# Allegro board LAUNCHXL-CC1312R1.brd (continued)
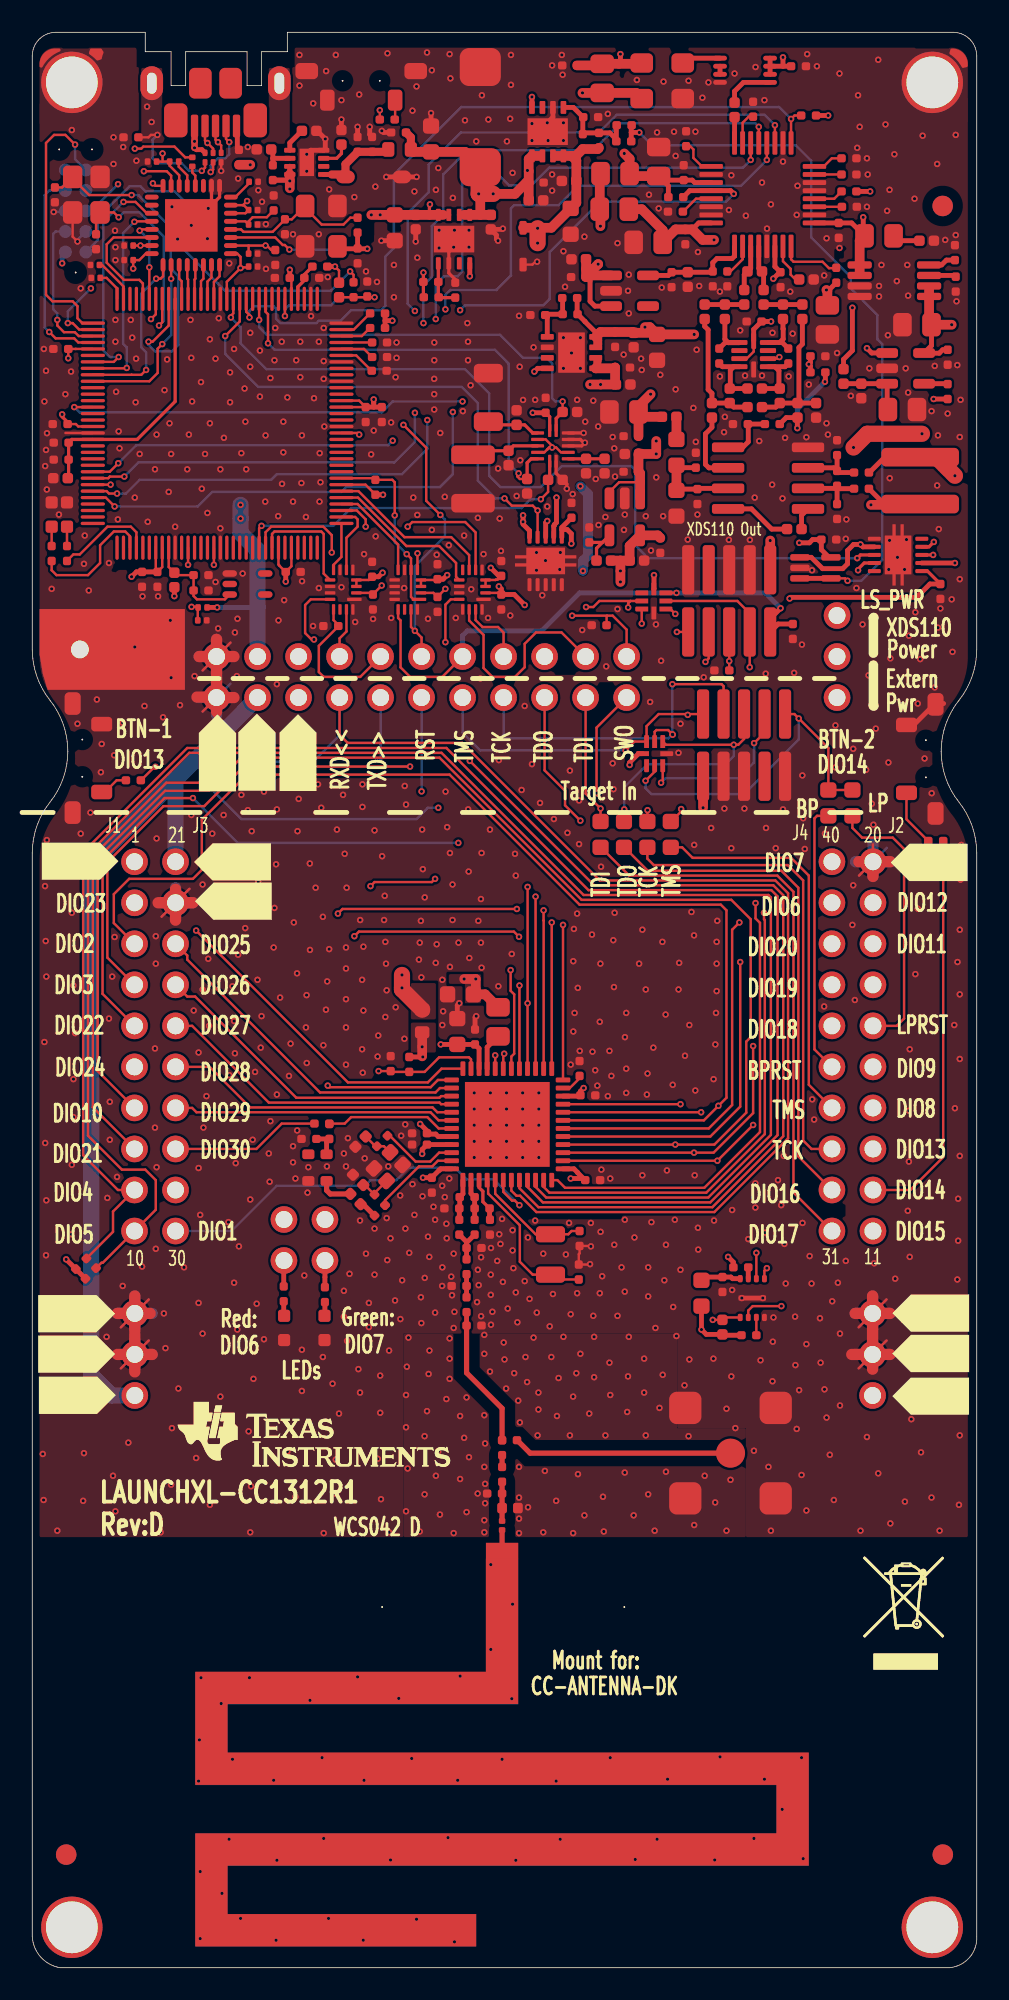
[diagram p0: board, top side]
## Placement (name value [footprint] x y rotation side) (continued)
U39  TS3A4751RUCR  [QFNFC40P200X200X40-14A2N]  31.3 95 270 top
U40  REF6025IDGK  [SOP65P490X110-8A2N]  55.55 103.45 90 top
U41  OPA320AIDBV  [SOT95P280X145-5A2N]  52.95 99.95 270 top
U42  TPS79601DR  [SON65P300X300X100-9AN]  34.9 99 90 top
U43  LP5907MFX-1.8  [SOT95P280X145-5A2N]  35.85 104.75 270 top
U44  TPS73101DBV  [SOT95P280X145-5A2N]  37.65 90.95 180 top
U45  DNM  [SOT65P210X110-5A2N]  47.55 87.3 270 top
U46  TPS79601DR  [SON65P300X300X100-9AN]  30.95 112.15 0 top
U47  TPS259530DSG  [SON50P200X200X80-9A2N]  15.95 112.5 270 top
Y1  32.768kHz  [XTAL_FC135_A2N]  32.1 42.9 90 top
Y2  48MHz  [OSCCC200X160X45-4A2N]  21.95 48.7 45 top
Y3  16MHz  [OSCCC250X320X100-4BN]  2.5 110.85 270 top
Y4  24MHz  [OSCCC250X320X70-4AN]  16.9 109.05 270 top
Y6  16.384MHz  [OSCSC254P320X500X130-4A2N]  37.75 115.7 0 top
Y7  48MHz  [OSC_TG2016SMN_A2N]  17.1 50.35 270 top
Z60  3.3nH  [INDC1005X60B2N]  29.1 31 270 top
Z61  DNM  [CAPC1005X60B2N]  29.1 29.35 180 top
Z62  DNM  [IND_LQW15AN]  29.1 28.45 0 top
Z63  5.6pF  [CAPC0603X35B2N]  29.1 27.65 270 top

## Library data of the parts
A1 = ANTENNA_PCB_0: User Part Number: #PN
C1-C4 C7-C9 C11 C12 C14 C15 C17 C19-C21 C24 C30 C31 C33-C39 C41 C43 C46 C47 C50-C52 C70-C75 C85 C86 C88 C89 C106 C108 C110 C114-C116 C118-C120 C123-C127 C132 C134 C135 C139-C141 C152-C154 C158 C161 C162 C164 C166 C167 C169 C170 C172 C175 Z61 = CAPACITOR: User Part Number: #PN
C6 C78-C80 C83 C84 C87 Z63 = CAPACITOR: User Part Number: #PN; alternate symbols: (CAPC0603X35B2L,CAPC0603X35B2M)
C16 C18 C113 C156 C168 C174 = CAPACITOR: User Part Number: #PN; alternate symbols: (CAPC1608X100A2L,CAPC1608X100A2M)
C22 C23 C25 C40 C42 C44 C45 C48 C49 C53 C107 C109 C128-C131 C133 C136-C138 C143-C145 C149 C151 C155 C157 C159 C160 C163 C171 C173 = CAPACITOR: User Part Number: #PN; alternate symbols: (CAPC1005X60A2L,CAPC1005X60A2M)
C111 = CAPACITOR: User Part Number: #PN; alternate symbols: (CAPC1608X90A2L,CAPC1608X90A2M)
C112 = CAPACITOR_POL_8: User Part Number: #PN; alternate symbols: (CAPMP7343X430A2L,CAPMP7343X430A2M)
C117 C121 C122 C142 C146 C147 C165 = CAPACITOR: User Part Number: #PN; alternate symbols: (CAPC2012X150A2L,CAPC2012X150A2M)
CR1 CR5 = LED_0: alternate symbols: (LEDC1707X65L,LEDC1707X65M)
CR2 CR4 = LED_0: alternate symbols: (LEDC1708X67L,LEDC1708X67M)
CR6 = DIODE_TVS_TPD4E004_SON6: User Part Number: #PN; alternate symbols: (SON50P100X145X65-6L,SON50P100X145X65-6M)
CR7 CR8 = DIODE_TVS_TPD6E004_QFN8_V1: alternate symbols: (QFN50P150X150X60-8L,QFN50P150X150X60-8M)
CR14 = DIODE_ZENER_1: User Part Number: #PN; alternate symbols: (SODFL2512X80A2L,SODFL2512X80A2M)
CR15 = DIODE_SCHOTTKY_2: alternate symbols: (SOD3716X135L,SOD3716X135M,SOD3716X135BN)
FIDU1-FIDU6 = FIDMARK
FL1-FL3 = FILTER_2PIN: alternate symbols: (FIL_BLM18HE152SN1DL,FIL_BLM18HE152SN1DM)
FL4 = INDUCTOR_3: User Part Number: #PN; alternate symbols: (FILC2012X110A2L,FILC2012X110A2M)
FL5 = INDUCTOR_4: User Part Number: #PN; alternate symbols: (FILC2012X110A2L,FILC2012X110A2M)
FL6 = INDUCTOR_5: User Part Number: #PN; alternate symbols: (FILC2012X110A2L,FILC2012X110A2M)
J1 J2 = CONN_HEADER_2X10_J_S_V1: User Part Number: #PN; alternate symbols: (SAMTEC_SSQ11023LD_A2C,SAMTEC_SSQ11023LD_A2A)
J6 = CONN_USB_MICRO_B_2MH: User Part Number: #PN; alternate symbols: (MOLEX_1051640001_B2L,MOLEX_1051640001_B2M)
J7 = CONN_COAX_1_4: alternate symbols: (HUSTSAN_SMA10V21TGGL,HUSTSAN_SMA10V21TGGM)
L10 = INDUCTOR_4: User Part Number: #PN; alternate symbols: (INDC2012X150A2L,INDC2012X150A2M)
L11 L32-L34 = INDUCTOR_HOR_1_1: User Part Number: #PN
L12 = INDUCTOR_HOR_1_0: User Part Number: #PN
LBL1 = CE_LABEL_V1
LBL2 = TI_LOGO_V1
LBL4 = LABEL_FOR_EVALUATOIN_ONLY: User Part Number: #PN
LBL6 = TRASH_V2: User Part Number: #PN
M1-M14 = MECH_SHUNT_JUMPER_V1: User Part Number: #PN
M15-M18 = MECH_SPACERS_SUPPORT_V1: User Part Number: #PN
MH1-MH5 = HOLE_PTH
NOREF#11 = -: User Part Number: #PN
P1 P2 P10 = CONN_HEADER_3_P_S: User Part Number: #PN; alternate symbols: (GRADCONN_BB02HC031KB1603000_A2C,GRADCONN_BB02HC031KB1603000_A2A)
P4 = CONN_HEADER_2X11_P_S: User Part Number: #PN; alternate symbols: (GRADCONN_BB02HJ221KB160300_A2C,GRADCONN_BB02HJ221KB160300_A2A)
P5 P7 = CONN_HEADER_2X5: User Part Number: #PN; alternate symbols: (SAMTEC_FTSH10501FDVK_A2L,SAMTEC_FTSH10501FDVK_A2M)
P6 = CONN_HEADER_2X2_P: User Part Number: #PN; alternate symbols: (GRADCONN_BB02HJ041KB1603000_A2C,GRADCONN_BB02HJ041KB1603000_A2A)
P8 = CONN_IDC_TC2050-IDC-NL: User Part Number: #PN; alternate symbols: (TAGCONNECT_TC2050IDCNL_A2L,TAGCONNECT_TC2050IDCNL_A2M)
PCB1 = PCB_V2: User Part Number: #PN
R1-R3 R5-R9 R14 R15 R20 R21 R23 R25 R27-R34 R39 R55-R63 R65 R87 R96-R100 R105 R106 R108 R111 R114 R117-R119 R131-R133 R135 R136 R138 R151 R152 R154 = RESISTOR: User Part Number: #PN
R11 R17 R18 R94 R95 R101-R104 R109 R110 R112 R113 R115 R116 R120 R121 R126-R130 R134 R137 R153 R155 R156 = RESISTOR: alternate symbols: (RESC1005X40A2L,RESC1005X40A2M)
R12 R46-R49 R51 R52 = RESISTOR: User Part Number: #PN; alternate symbols: (RESC1608X55A2L,RESC1608X55A2M)
R82-R84 R90-R93 = RESISTOR: User Part Number: #PN; alternate symbols: (RESC0603X35B2L,RESC0603X35B2M)
R107 = RESISTOR: User Part Number: #PN; alternate symbols: (RESC3246X70A2L,RESC3246X70A2M)
R122 = RESISTOR: User Part Number: #PN; alternate symbols: (RESC1005X50A2L,RESC1005X50A2M)
R123 = RESISTOR: User Part Number: #PN; alternate symbols: (RESC3216X75A2L,RESC3216X75A2M)
R125 = RESISTOR: User Part Number: #PN; alternate symbols: (RESC3225X75A2L,RESC3225X75A2M)
SW1-SW3 = SWITCH_TACT_V2: alternate symbols: (SW_1188E1K2V_A2L,SW_1188E1K2V_A2M)
U1 = IC_RF_CC1312R1F3_VQFN48: User Part Number: #PN; alternate symbols: (QFNFC50P700X700X100-49A2L,QFNFC50P700X700X100-49A2M)
U4 = IC_FLASH_MX25R8035F_USON8: User Part Number: #PN; alternate symbols: (SON50P300X200X60-9B2L,SON50P300X200X60-9B2M)
U5 = IC_PROC_TM4C1294NCPDT_TQFP128: alternate symbols: (QFP40P1600X1600X120-128L,QFP40P1600X1600X120-128M)
U6 = IC_REF_LM4040_SC70-5: alternate symbols: (SOT65P210X110-5L,SOT65P210X110-5M)
U7 U42 U46 = IC_PM_TPS79601_SON8: alternate symbols: (SON65P300X300X100-9AL,SON65P300X300X100-9AM)
U8-U10 = IC_XCVR_SN74AVC4T245_UQFN16_2: User Part Number: #PN; alternate symbols: (QFNFC40P180X260X55-16A2L,QFNFC40P180X260X55-16A2M)
U15 = IC_PROC_USB3300_QFN32: alternate symbols: (QFNWB50P500X500X100-33L,QFNWB50P500X500X100-33M,QFNWB50P500X500X100-33DL,QFNWB50P500X500X100-33DM)
U33 U38 = IC_SWITCH_TS3A24159_SON10: User Part Number: #PN; alternate symbols: (SON50P300X300X100-11A2L,SON50P300X300X100-11A2M)
U34 = IC_LOGIC_SN74LVC2G74_VSSOP8: alternate symbols: (SOP50P310X90-8L,SOP50P310X90-8M)
U35 = IC_ADC_ADS127L01_QFP32_0: User Part Number: #PN; alternate symbols: (QFP50P700X700X120-32A2L,QFP50P700X700X120-32A2M)
U36 = IC_OPAMP_INA118U_SO8: User Part Number: #PN; alternate symbols: (SOIC127P600X175-8A2L,SOIC127P600X175-8A2M)
U37 = IC_OPAMP_THS4551_QFN10: User Part Number: #PN; alternate symbols: (QFNFCP50P200X200X80-10A2L,QFNFCP50P200X200X80-10A2M)
U39 = IC_SWITCH_TS3A4751_QFN14: User Part Number: #PN; alternate symbols: (QFNFC40P200X200X40-14A2L,QFNFC40P200X200X40-14A2M)
U40 = IC_REF_REF6025_VSSOP8: User Part Number: #PN; alternate symbols: (SOP65P490X110-8A2L,SOP65P490X110-8A2M)
U41 = IC_OPAMP_OPA320_SOT23-5: User Part Number: #PN; alternate symbols: (SOT95P280X145-5A2L,SOT95P280X145-5A2M)
U43 = IC_PM_LP5907-1_8_SOT23-5: User Part Number: #PN; alternate symbols: (SOT95P280X145-5A2L,SOT95P280X145-5A2M)
U44 = IC_PM_TPS73101_SOT23-5: User Part Number: #PN; alternate symbols: (SOT95P280X145-5A2L,SOT95P280X145-5A2M)
U45 = IC_OPAMP_OPA314_SC70-5: User Part Number: #PN; alternate symbols: (SOT65P210X110-5A2L,SOT65P210X110-5A2M)
U47 = IC_PM_TPS259530_WSON8: alternate symbols: (SON50P200X200X80-9A2L,SON50P200X200X80-9A2M)
Y1 = CRYSTAL: User Part Number: #PN; alternate symbols: (XTAL_FC135_A2L,XTAL_FC135_A2M)
Y2 = XTAL_4PINS_1_3: User Part Number: #PN; alternate symbols: (OSCCC200X160X45-4A2L,OSCCC200X160X45-4A2M)
Y3 = XTAL_4: alternate symbols: (OSCCC250X320X100-4BL,OSCCC250X320X100-4BM)
Y4 = XTAL_4: alternate symbols: (OSCCC250X320X70-4AL,OSCCC250X320X70-4AM)
Y6 = XTAL_GEN_EN_V1: User Part Number: #PN; alternate symbols: (OSCSC254P320X500X130-4A2L,OSCSC254P320X500X130-4A2M)
Y7 = XTAL_GEN_V2: User Part Number: #PN; alternate symbols: (OSC_TG2016SMN_A2L,OSC_TG2016SMN_A2M)
Z60 = INDUCTOR_4: User Part Number: #PN
Z62 = INDUCTOR_4: alternate symbols: (IND_LQW15AL,IND_LQW15AM)

## Footprints (pads in the part's own frame, mm; a bottom-side part is the same pattern mirrored in y, then rotated)
ANTENNA_DN024N
  rect 2x1 smd: 1(0,0)
CAPC0603X35B2N
  custom 0.35x0.4 smd: 1(0,0) 2(0.56,0)
CAPC1005X60A2N
  custom 0.65x0.64 smd: 1(0,0) 2(0.9,0)
CAPC1005X60B2N
  custom 0.524x0.5 smd: 1(0,0) 2(0.924,0)
CAPC1608X90A2N
  custom 0.95x1 smd: 1(0,0) 2(1.6,0)
CAPC1608X100A2N
  custom 0.95x1 smd: 1(0,0) 2(1.6,0)
CAPC2012X150A2N
  custom 1.15x1.45 smd: 1(0,0) 2(1.8,0)
CAPMP7343X430A2N
  custom 2.35x2.55 smd: 1(0,0) 2(6.2,0)
FID127X142
  round 1.27 smd: 1(0,0)
FIL_BLM18HE152SN1DN
  custom 0.752x0.9 smd: 1(0,0) 2(1.4,0)
FIL_BLM18HE152SN1DN#2
  custom 0.95x1 smd: 1(0,0) 2(1.6,0)
FILC2012X110A2N
  custom 1.15x1.45 smd: 1(0,0) 2(1.8,0)
GRADCONN_BB02HC031KB1603000_A2B
  round 1.65 hole 1.05: 1(0,0) 2(2.54,0) 3(5.08,0)
GRADCONN_BB02HJ041KB1603000_A2B
  round 1.65 hole 1.05: 1(0,0) 2(0,2.54) 3(2.54,0) 4(2.54,2.54)
GRADCONN_BB02HJ221KB160300_A2B
  round 1.65 hole 1.05: 1(0,0) 2(0,2.54) 3(2.54,0) 4(2.54,2.54) 5(5.08,0) 6(5.08,2.54) 7(7.62,0) 8(7.62,2.54) 9(10.16,0) 10(10.16,2.54) 11(12.7,0) 12(12.7,2.54) 13(15.24,0) 14(15.24,2.54) 15(17.78,0) 16(17.78,2.54) 17(20.32,0) 18(20.32,2.54) 19(22.86,0) 20(22.86,2.54) 21(25.4,0) 22(25.4,2.54)
HUSTSAN_SMA10V21TGGAN
  round 1.8 smd: 1(0,0)
  custom 2x2 smd: 2(-2.8,-2.8) 3(2.8,-2.8) 4(2.8,2.8) 5(-2.8,2.8)
IND_LQW15AN
  custom 0.6x0.65 smd: 1(0,0) 2(0.98,0)
INDC1005X60B2N
  custom 0.524x0.5 smd: 1(0,0) 2(0.924,0)
INDC1005X60D2N
  custom 0.524x0.5 smd: 1(0,0) 2(0.924,0)
INDC2012X150A2N
  custom 1.15x1.45 smd: 1(0,0) 2(1.8,0)
LEDC1707X65N
  custom 0.752x0.752 smd: 1(0,0) 2(1.501,0)
LEDC1708X67N
  custom 0.752x0.752 smd: 1(0,0) 2(1.501,0)
MOLEX_1051640001_B2N
  custom 1.45x2.1 smd: (-1.162,0.35) (3.762,0.35)
  custom 1.4x1.9 smd: (0.362,2.65) (2.238,2.65)
  custom 0.45x1.4 smd: 1(0,0) 2(0.65,0) 3(1.3,0) 4(1.95,0) 5(2.6,0)
  oval 1.4x2.1 hole 0.6x1.3: M1(-2.65,2.65) M2(5.25,2.65)
MTG110_170
  round 1.699 hole 1.1: 1(0,0)
MTG320_380
  round 3.8 hole 3.2: 1(0,0)
OSC_TG2016SMN_A2N
  custom 0.6x0.75 smd: 1(0,0) 2(1.65,0) 3(1.65,1.13) 4(0,1.13)
OSCCC200X160X45-4A2N
  custom 0.9x0.8 smd: 1(0,0) 2(1.4,0) 3(1.4,1.1) 4(0,1.1)
OSCCC250X320X70-4AN
  custom 1.4x1.15 smd: 1(0,0) 2(2.5,0) 3(2.5,2) 4(0,2)
OSCCC250X320X100-4BN
  custom 1.402x1.198 smd: 1(0,0) 2(2.2,0) 3(2.2,1.699) 4(0,1.699)
OSCSC254P320X500X130-4A2N
  custom 1.4x1.2 smd: 1(0,0) 2(2.54,0) 3(2.54,2.2) 4(0,2.2)
QFN50P150X150X60-8N
  custom 0.3x0.8 smd: 1(0,0) 2(0.5,0) 3(1,0) 5(1,1.5) 6(0.5,1.5) 7(0,1.5)
  custom 0.8x0.3 smd: 4(1.25,0.75) 8(-0.25,0.75)
QFNFC40P180X260X55-16A2N
  custom 0.2x0.9 smd: 1(0,0)
  custom 0.2x0.65 smd: 2(0.4,-0.125) 3(0.8,-0.125) 4(1.2,-0.125) 9(1.2,1.505) 10(0.8,1.505) 11(0.4,1.505) 12(0,1.505)
  custom 0.65x0.2 smd: 5(1.825,0.09) 6(1.825,0.49) 7(1.825,0.89) 8(1.825,1.29) 13(-0.625,1.29) 14(-0.625,0.89) 15(-0.625,0.49) 16(-0.625,0.09)
QFNFC40P200X200X40-14A2N
  custom 0.2x0.8 smd: 1(0,0) 2(0.4,0) 3(0.8,0) 4(1.2,0) 5(1.6,0) 8(1.6,1.9) 9(1.2,1.9) 10(0.8,1.9) 11(0.4,1.9) 12(0,1.9)
  custom 0.8x0.2 smd: 6(1.75,0.75) 7(1.75,1.15) 13(-0.15,1.15) 14(-0.15,0.75)
QFNFC50P700X700X100-49A2N
  custom 0.3x0.9 smd: 1(0,0) 2(0.5,0) 3(1,0) 4(1.5,0) 5(2,0) 6(2.5,0) 7(3,0) 8(3.5,0) 9(4,0) 10(4.5,0) 11(5,0) 12(5.5,0) 25(5.5,6.9) 26(5,6.9) 27(4.5,6.9) 28(4,6.9) 29(3.5,6.9) 30(3,6.9) 31(2.5,6.9) 32(2,6.9) 33(1.5,6.9) 34(1,6.9) 35(0.5,6.9) 36(0,6.9)
  custom 0.9x0.3 smd: 13(6.2,0.7) 14(6.2,1.2) 15(6.2,1.7) 16(6.2,2.2) 17(6.2,2.7) 18(6.2,3.2) 19(6.2,3.7) 20(6.2,4.2) 21(6.2,4.7) 22(6.2,5.2) 23(6.2,5.7) 24(6.2,6.2) 37(-0.7,6.2) 38(-0.7,5.7) 39(-0.7,5.2) 40(-0.7,4.7) 41(-0.7,4.2) 42(-0.7,3.7) 43(-0.7,3.2) 44(-0.7,2.7) 45(-0.7,2.2) 46(-0.7,1.7) 47(-0.7,1.2) 48(-0.7,0.7)
  rect 5.25x5.25 smd: 49(2.75,3.45)
QFNFCP50P200X200X80-10A2N
  custom 0.3x1 smd: 1(0,0) 2(0.5,0) 3(1,0) 4(1.5,0) 6(1.5,1.77) 7(1,1.77) 8(0.5,1.77) 9(0,1.77)
  custom 1x0.3 smd: 5(1.67,0.885) 10(-0.1,0.885)
QFNWB50P500X500X100-33N
  oval 0.3x0.851 smd: 1(0,0) 2(0.5,0) 3(1,0) 4(1.5,0) 5(2,0) 6(2.5,0) 7(3,0) 8(3.5,0) 17(3.5,4.9) 18(3,4.9) 19(2.5,4.9) 20(2,4.9) 21(1.5,4.9) 22(1,4.9) 23(0.5,4.9) 24(0,4.9)
  oval 0.851x0.3 smd: 9(4.2,0.7) 10(4.2,1.2) 11(4.2,1.7) 12(4.2,2.2) 13(4.2,2.7) 14(4.2,3.2) 15(4.2,3.7) 16(4.2,4.2) 25(-0.7,4.2) 26(-0.7,3.7) 27(-0.7,3.2) 28(-0.7,2.7) 29(-0.7,2.2) 30(-0.7,1.7) 31(-0.7,1.2) 32(-0.7,0.7)
  rect 3.25x3.25 smd: 33(1.75,2.45)
QFP40P1600X1600X120-128N
  oval 0.201x1.501 smd: 1(0,0) 2(0.399,0) 3(0.8,0) 4(1.199,0) 5(1.6,0) 6(1.999,0) 7(2.4,0) 8(2.799,0) 9(3.2,0) 10(3.599,0) 11(4,0) 12(4.399,0) 13(4.801,0) 14(5.199,0) 15(5.601,0) 16(6,0) 17(6.401,0) 18(6.8,0) 19(7.201,0) 20(7.6,0) 21(8.001,0) 22(8.4,0) 23(8.801,0) 24(9.2,0) 25(9.601,0) 26(10,0) 27(10.399,0) 28(10.8,0) 29(11.199,0) 30(11.6,0) 31(11.999,0) 32(12.4,0) 65(12.4,15.4) 66(11.999,15.4) 67(11.6,15.4) 68(11.199,15.4) 69(10.8,15.4) 70(10.399,15.4) 71(10,15.4) 72(9.601,15.4) 73(9.2,15.4) 74(8.801,15.4) 75(8.4,15.4) 76(8.001,15.4) 77(7.6,15.4) 78(7.201,15.4) 79(6.8,15.4) 80(6.401,15.4) 81(6,15.4) 82(5.601,15.4) 83(5.199,15.4) 84(4.801,15.4) 85(4.399,15.4) 86(4,15.4) 87(3.599,15.4) 88(3.2,15.4) 89(2.799,15.4) 90(2.4,15.4) 91(1.999,15.4) 92(1.6,15.4) 93(1.199,15.4) 94(0.8,15.4) 95(0.399,15.4) 96(0,15.4)
  oval 1.501x0.201 smd: 33(13.899,1.501) 34(13.899,1.9) 35(13.899,2.301) 36(13.899,2.7) 37(13.899,3.099) 38(13.899,3.5) 39(13.899,3.899) 40(13.899,4.3) 41(13.899,4.699) 42(13.899,5.1) 43(13.899,5.499) 44(13.899,5.9) 45(13.899,6.299) 46(13.899,6.7) 47(13.899,7.099) 48(13.899,7.501) 49(13.899,7.899) 50(13.899,8.301) 51(13.899,8.7) 52(13.899,9.101) 53(13.899,9.5) 54(13.899,9.901) 55(13.899,10.3) 56(13.899,10.701) 57(13.899,11.1) 58(13.899,11.501) 59(13.899,11.9) 60(13.899,12.301) 61(13.899,12.7) 62(13.899,13.099) 63(13.899,13.5) 64(13.899,13.899) 97(-1.501,13.899) 98(-1.501,13.5) 99(-1.501,13.099) 100(-1.501,12.7) 101(-1.501,12.301) 102(-1.501,11.9) 103(-1.501,11.501) 104(-1.501,11.1) 105(-1.501,10.701) 106(-1.501,10.3) 107(-1.501,9.901) 108(-1.501,9.5) 109(-1.501,9.101) 110(-1.501,8.7) 111(-1.501,8.301) 112(-1.501,7.899) 113(-1.501,7.501) 114(-1.501,7.099) 115(-1.501,6.7) 116(-1.501,6.299) 117(-1.501,5.9) 118(-1.501,5.499) 119(-1.501,5.1) 120(-1.501,4.699) 121(-1.501,4.3) 122(-1.501,3.899) 123(-1.501,3.5) 124(-1.501,3.099) 125(-1.501,2.7) 126(-1.501,2.301) 127(-1.501,1.9) 128(-1.501,1.501)
QFP50P700X700X120-32A2N
  custom 0.3x1.45 smd: 1(0,0) 2(0.5,0) 3(1,0) 4(1.5,0) 5(2,0) 6(2.5,0) 7(3,0) 8(3.5,0) 17(3.5,6.4) 18(3,6.4) 19(2.5,6.4) 20(2,6.4) 21(1.5,6.4) 22(1,6.4) 23(0.5,6.4) 24(0,6.4)
  custom 1.45x0.3 smd: 9(4.95,1.45) 10(4.95,1.95) 11(4.95,2.45) 12(4.95,2.95) 13(4.95,3.45) 14(4.95,3.95) 15(4.95,4.45) 16(4.95,4.95) 25(-1.45,4.95) 26(-1.45,4.45) 27(-1.45,3.95) 28(-1.45,3.45) 29(-1.45,2.95) 30(-1.45,2.45) 31(-1.45,1.95) 32(-1.45,1.45)
RESC0603X35B2N
  custom 0.35x0.4 smd: 1(0,0) 2(0.56,0)
RESC1005X40A2N
  custom 0.65x0.64 smd: 1(0,0) 2(0.9,0)
RESC1005X40B2N
  custom 0.524x0.5 smd: 1(0,0) 2(0.924,0)
RESC1005X50A2N
  custom 0.65x0.64 smd: 1(0,0) 2(0.9,0)
RESC1608X55A2N
  custom 0.95x1 smd: 1(0,0) 2(1.6,0)
RESC3216X75A2N
  custom 1.15x1.8 smd: 1(0,0) 2(3,0)
RESC3225X75A2N
  custom 1.15x2.7 smd: 1(0,0) 2(3,0)
RESC3246X70A2N
  custom 1.15x4.8 smd: 1(0,0) 2(2.9,0)
SAMTEC_FTSH10501FDVK_A2N
  custom 0.75x3.05 smd: 1(0,0) 2(0,3.85) 3(1.27,0) 4(1.27,3.85) 5(2.54,0) 6(2.54,3.85) 7(3.81,0) 8(3.81,3.85) 9(5.08,0) 10(5.08,3.85)
SAMTEC_SSQ11023LD_A2B
  round 1.65 hole 1.05: 1(0,0) 2(2.54,0) 3(0,2.54) 4(2.54,2.54) 5(0,5.08) 6(2.54,5.08) 7(0,7.62) 8(2.54,7.62) 9(0,10.16) 10(2.54,10.16) 11(0,12.7) 12(2.54,12.7) 13(0,15.24) 14(2.54,15.24) 15(0,17.78) 16(2.54,17.78) 17(0,20.32) 18(2.54,20.32) 19(0,22.86) 20(2.54,22.86)
SOD3716X135N
  oval 1.15x0.8 smd: 1(0,0) 2(3.5,0)
SODFL2512X80A2N
  custom 0.85x0.45 smd: 1(0,0) 2(2.28,0)
SOIC127P600X175-8A2N
  custom 0.6x2 smd: 1(0,0) 2(1.27,0) 3(2.54,0) 4(3.81,0) 5(3.81,4.95) 6(2.54,4.95) 7(1.27,4.95) 8(0,4.95)
SON50P100X145X60-6B2N
  custom 0.3x0.4 smd: 1(0,0) 2(0.5,0) 3(1,0) 4(1,0.59) 5(0.5,0.59) 6(0,0.59)
SON50P200X200X80-9A2N
  custom 0.3x0.7 smd: 1(0,0) 2(0.5,0) 3(1,0) 4(1.5,0) 5(1.5,2.1) 6(1,2.1) 7(0.5,2.1) 8(0,2.1)
  rect 1.7x0.9 smd: 9(0.75,1.05)
SON50P300X200X60-9B2N
  custom 0.3x0.45 smd: 1(0,0) 2(0.5,0) 3(1,0) 4(1.5,0) 5(1.5,2.4) 6(1,2.4) 7(0.5,2.4) 8(0,2.4)
  rect 1.7x0.3 smd: 9(0.75,1.2)
SON50P300X300X100-11A2N
  custom 0.25x0.8 smd: 1(0,0) 2(0.5,0) 3(1,0) 4(1.5,0) 5(2,0) 6(2,2.94) 7(1.5,2.94) 8(1,2.94) 9(0.5,2.94) 10(0,2.94)
  custom 3.8x1.65 smd: 11(1,1.47)
SON65P300X300X100-9AN
  custom 0.35x0.8 smd: 1(0,0) 2(0.65,0) 3(1.3,0) 4(1.95,0) 5(1.95,3) 6(1.3,3) 7(0.65,3) 8(0,3)
  rect 2.5x1.65 smd: 9(0.975,1.5)
SON65P300X300X100-9AN#2
  custom 0.3x0.75 smd: 1(0,0) 2(0.65,0) 3(1.3,0) 4(1.95,0) 5(1.95,3) 6(1.3,3) 7(0.65,3) 8(0,3)
  rect 2.5x1.65 smd: 9(0.975,1.5)
SOP50P310X90-8N
  oval 0.3x0.851 smd: 1(0,0) 2(0.5,0) 3(1,0) 4(1.5,0) 5(1.5,3.1) 6(1,3.1) 7(0.5,3.1) 8(0,3.1)
SOP65P490X110-8A2N
  custom 0.45x1.5 smd: 1(0,0) 2(0.65,0) 3(1.3,0) 4(1.95,0) 5(1.95,4.3) 6(1.3,4.3) 7(0.65,4.3) 8(0,4.3)
SOT65P210X110-5A2N
  custom 0.4x1.2 smd: 1(0,0) 2(0.65,0) 3(1.3,0) 4(1.3,1.92) 5(0,1.92)
SOT65P210X110-5N
  oval 0.399x0.899 smd: 1(0,0) 2(0.65,0) 3(1.3,0) 4(1.3,2.2) 5(0,2.2)
SOT95P280X145-5A2N
  custom 0.6x1.35 smd: 1(0,0) 2(0.95,0) 3(1.9,0) 4(1.9,2.29) 5(0,2.29)
SW_1188E1K2V_A2N
  round 0.099 hole 0.899 unplated: (2.229,0.6) (4.529,0.6)
  custom 1.4x1 smd: 1(0,0) 2(6.75,0)
  custom 0.9x1.3 smd: 3(1.275,1.8) 4(5.475,1.8)
TAGCONNECT_TC2050IDCNL_A2N
  round 0.1 hole 1 unplated: (-1.27,0.635) (6.35,-0.38) (6.35,1.65)
  round 0.8 smd: 1(0,0) 2(1.27,0) 3(2.54,0) 4(3.81,0) 5(5.08,0) 6(5.08,1.27) 7(3.81,1.27) 8(2.54,1.27) 9(1.27,1.27) 10(0,1.27)
unnamed#2
  round 0.099 hole 3.2 unplated: (0,0) (15,0)
XTAL_FC135_A2N
  custom 1x1.8 smd: 1(0,0) 2(2.5,0)

## Nets
5V0: C48.1 C110.1 C111.2 C112.1 C151.1 C152.1 C157.1 C160.1 C161.1 C164.1 C165.1 C166.1 C171.1 C175.1 FL2.1 P4.19 R82.2 R92.2 R153.2 U7.1 U7.2 U7.8 U42.1 U42.2 U42.8 U43.1 U43.3 U44.1 U44.3 U46.1 U46.2 U46.8
5V0_BP: J1.2 P2.1 P4.20
GND: C1.2 C2.2 C3.2 C4.2 C6.2 C7.2 C8.2 C9.2 C11.2 C12.2 C14.2 C15.2 C16.2 C17.2 C18.2 C19.2 C20.2 C22.2 C23.2 C24.2 C30.2 C31.2 C33.2 C34.2 C35.2 C38.2 C39.2 C40.2 C41.2 C42.2 C43.2 C44.2 C45.2 C46.2 C48.2 C49.2 C50.2 C51.2 C52.2 C53.2 C70.2 C71.2 C72.2 C73.2 C74.2 C75.2 C78.2 C79.2 C80.2 C83.2 C84.2 C85.1 C86.1 C87.2 C88.1 C89.1 C106.2 C107.2 C108.2 C109.2 C110.2 C111.1 C112.2 C113.2 C114.2 C115.2 C116.2 C117.2 C118.2 C119.2 C120.2 C121.2 C122.2 C124.1 C125.1 C126.1 C127.2 C128.2 C133.2 C134.2 C136.2 C137.2 C138.2 C139.2 C140.2 C141.2 C142.2 C143.2 C144.2 C145.2 C147.2 C149.2 C151.2 C152.2 C154.2 C155.2 C156.2 C157.2 C158.2 C159.2 C160.2 C161.2 C162.2 C163.2 C164.2 C165.2 C166.2 C167.2 C168.2 C170.1 C171.2 C173.2 C174.2 C175.2 CR1.1(C) CR2.1(C) CR4.1(C) CR5.1(C) CR6.3 CR7.4 CR8.4 CR14.2 CR15.2 J1.4 J2.2 J6.5 J7.2 J7.3 J7.4 J7.5 MH3.1 MH4.1 MH5.1 P1.2 P1.3 P2.2 P2.3 P4.21 P4.22 P5.3 P5.5 P5.9 P7.3 P7.5 P7.9 P8.3 P8.5 P8.9 R21.2 R28.1 R29.2 R30.2 R32.1 R34.1 R61.1 R62.1 R63.1 R65.1 R84.1 R90.1 R91.1 R93.2 R97.2 R105.1 R106.1 R115.2 R116.1 R117.1 R118.1 R122.1 R123.1 R125.1 R126.1 R127.2 R128.2 R129.2 R130.2 R133.1 R135.1 R136.1 R152.1 R155.1 R156.1 SW1.1 SW1.2 SW1.3 SW2.1 SW2.2 SW2.4 SW3.1 SW3.2 SW3.4 U1.49 U4.4 U4.9 U5.10 U5.17 U5.48 U5.55 U5.58 U5.64 U5.66 U5.80 U5.114 U6.1 U7.6 U7.9 U8.1 U8.5 U8.7 U8.10 U8.11 U8.16 U9.1 U9.5 U9.10 U9.11 U9.13 U9.16 U10.7 U10.9 U10.10 U10.11 U10.12 U10.16 U15.1 U15.2 U15.33 U33.6 U33.11 U34.4 U35.5 U35.10 U35.13 U35.14 U35.18 U35.26 U35.30 U35.31 U36.4(V-) U37.5(VS-) U38.6 U38.7 U38.8 U38.9 U38.10 U38.11 U39.7 U39.10 U39.11 U39.12 U40.7 U40.8 U41.2(V-) U42.6 U42.9 U43.2 U44.2 U45.2(V-) U46.6 U46.9 U47.8 U47.9 Y2.2 Y2.4(GND#4) Y3.2 Y3.4 Y4.2 Y4.4 Y6.2 Y7.2 Z61.2 Z62.2
VBUS_DET: R92.1 R93.1 U5.12
VDDC: C43.1 C44.1 C45.1 U5.87(VDDC#87) U5.115
VDDR: C18.1 C19.1 C20.1 L10.2 U1.45 U1.48
VDDS: C12.1 C14.1 C15.1 C16.1 C17.1 FL1.1 R1.2 U1.13 U1.22 U1.34 U1.44
BP_RESET: J2.11 R52.1
DCDC_SW: L10.1 U1.33
DIO1: J1.20 U1.6
DIO4_SCL: J1.17 R2.1 U1.9
DIO5_SDA: J1.19 R3.1 U1.10
DIO6_RLED: J2.3 P6.2 U1.11
DIO7_GLED: J2.1 P6.4 U1.12
DIO8_MISO: J2.14 U1.14 U4.2
DIO9_MOSI: J2.12 U1.15(DIO_9) U4.5
DIO10_SCLK: J1.13 U1.16 U4.6
DIO11_CS: J2.6 U1.17
DIO12: J2.4 U1.18
DIO13_BTN1: J2.16 R56.2 U1.19
DIO14_BTN2: J2.18 R55.2 U1.20
DIO15: J2.20 U1.21
DIO16_TDO: CR8.5 P4.6 P5.6 R48.2 U1.26
DIO17_TDI: CR8.3 P4.4 P5.8 R49.2 U1.27
DIO19_CTS: J2.7 U1.29
DIO20_FLASH_CS: J2.5 R11.2 U1.30 U4.1
DIO21: J1.15 U1.31
DIO22: J1.9 U1.32
DIO23_ANALOG: J1.3 U1.36
DIO24_ANALOG: J1.11 U1.37
DIO25_ANALOG: J1.6 U1.38
DIO26_ANALOG: J1.8 U1.39
DIO27_ANALOG: J1.10 U1.40
DIO28_ANALOG: J1.12 U1.41
DIO29_ANALOG: J1.14 U1.42
DIO30/TCXO_VCC: R8.2 R9.1 U1.43
DIO30_ANALOG: J1.16 R9.2
ET_1V8: C128.1 C158.1 C159.1 U35.1 U43.5(OUT)
ET_3V3: C126.2 C141.1 C142.1 C153.1 C154.1 C155.1 C156.1 FL5.1 FL6.2 R132.2 U37.3 U37.10 U40.1(VIN) U40.2 U41.5 U42.3 U42.4(OUT#4)
ET_5V0: C125.2 C167.1 C168.1 FL3.1 U36.7
ET_AVDD: C119.1 C120.1 C121.1 C122.1 FL6.1 R98.1 U35.6 U35.32
ET_BYPASS: U5.78 U33.4 U33.8
ET_CAL0: R129.1 U5.74 U39.13
ET_CAL1: R128.1 U5.73 U39.5
ET_CAL2: R127.1 U5.23 U39.6
ET_CALIBRATE: U5.77 U38.4
ET_DVDD: C116.1 C117.1 FL4.1 FL5.2 R96.1 R114.1 R119.1 U35.27 Y6.1
ET_FB: C169.2 R138.1 U45.3 U45.4
ET_PM2: R96.2 U5.76 U35.17(START)
ET_PN3: R114.2 U5.110 U35.28
ET_SSICLK: U5.120 U35.22
ET_SSIDAT0: U5.123 U35.21
ET_SSIDAT1: U5.124 U35.20
ET_SSIFSS: U5.121 U35.19
ET_VDD: C172.1 C173.1 C174.1 CR14.1(CATHODE) P10.1 R151.2 U46.3 U46.4(OUT#4)
ET_VREF: C127.1 C146.1 R121.1 U35.9 U40.5 U40.6
IRSTN: P8.10 R20.2
ITCK: P8.4 U5.100
ITDI: P8.8 U5.98
ITDO: P8.6 U5.97
ITMS: P8.2 U5.99
LP_RESET: J2.10 R51.1
LS_VDD: C70.1 C72.1 C74.1 CR7.8(VCC) P7.1 P10.2 U8.2(VCCB) U9.2(VCCB) U10.2(VCCB) U33.3 U33.9
SW_VDD: C114.1 C139.1 C140.1 C162.1 C163.1 C170.2 R134.2 U33.1(VCC) U38.1(VCC) U39.14(VCC) U44.5(OUT) U45.5
TARGET_VDD: P4.17 U38.5
TCXO_OUTPUT: C25.2 R7.1
USB1V8: C83.1 C84.1 C85.2 U15.15 U15.26
USB_VBUS: C106.1 CR6.6(VCC) J6.1(VCC) R154.1 U47.3 U47.4
USBA1V8: C86.2 C87.1 U15.29
USBCLK: U5.92 U15.14
USBD0: U5.81 U15.24
USBD1: U5.82 U15.23
USBD2: U5.83 U15.22
USBD3: U5.84 U15.21
USBD4: U5.85 U15.20
USBD5: U5.86 U15.19
USBD6: U5.106 U15.18
USBD7: U5.105 U15.17
USBDIR: U5.104 U15.12
USBDM: CR6.5 J6.2 U15.8
USBDP: CR6.4 J6.3 U15.7
USBNXT: U5.103 U15.11
USBSTP: U5.91 U15.13
VCM: R100.1 R109.2 R111.2 R131.1 U41.1
WMCU_RESET: C52.1 CR8.2 P4.12 P5.10 R1.1 R51.2 R52.2 U1.35
WMCU_RXD: J1.5 P4.16 U1.7
WMCU_SWO: J2.9 P4.2 U1.28
WMCU_TCK: CR8.6 P4.8 P5.4 R47.2 U1.25
WMCU_TMS: CR8.7 P4.10 P5.2 R46.2 U1.24
WMCU_TXD: J1.7 P4.14 U1.8
WMCU_VDD: CR8.8(VCC) FL1.2 J1.1 P1.1 P4.18 P5.1 P10.3 R2.2 R3.2 R11.1 R12.2 R59.2 R60.2
XDS_RESET: R58.1 U5.40 U10.1 U10.6
XDS_RESET_LS: CR7.2 P4.11 P7.10 R57.2 U10.15
XDS_RX: U5.33 U8.8
XDS_RX_LS: P4.13 R61.2 U8.13
XDS_SWO: U5.25 U8.9
XDS_SWO_LS: P4.1 R62.2 U8.12
XDS_TCK: U5.35 U9.6
XDS_TCK_LS: CR7.6 P4.7 P7.4 U9.15
XDS_TDI: U5.38 U9.7
XDS_TDI_LS: CR7.3 P4.3 P7.8 U9.14
XDS_TDO: U5.37 U9.9
XDS_TDO_LS: CR7.5 P4.5 P7.6 R63.2 U9.12
XDS_TMS: U5.36 U10.8
XDS_TMS_DIR: U5.24 U10.5
XDS_TMS_LS: CR7.7 P4.9 P7.2 R65.2 U10.13
XDS_TX: U5.34 U8.6
XDS_TX_LS: P4.15 U8.15
XDS_VDD: C2.1 C3.1 C4.1 C6.1 C7.1 C38.1 C39.1 C40.1 C42.1 C47.1 C49.1 C71.1 C73.1 C75.1 C78.1 C79.1 C80.1 C113.1 P8.1 R17.2 R18.2 R27.1 R31.2 R33.2 R39.1 R58.2 R83.1 U5.7 U5.8 U5.16 U5.26 U5.28 U5.39 U5.47 U5.51 U5.52 U5.69 U5.79 U5.90 U5.101 U5.113 U5.122 U7.3 U7.4(OUT#4) U8.3 U8.4 U9.3 U9.4 U10.3 U10.4 U15.6 U15.16 U15.25 U15.30 U15.31
N949215: R17.1 R20.1 R21.1 U5.70
N949243: R30.1 U5.60
N949263: C47.2 R33.1 R34.2 U7.5
N949375: R28.2 U5.59
N949687: C1.1 U5.89 Y3.3
N949699: C9.1 U5.88 Y3.1
N950083: C8.1 C50.1 R18.1 U5.9 U6.3
N951001: R39.2 U5.63
N951013: R29.1 U5.61
N951017: R27.2 U5.62
N952443: C46.1 R31.1 U5.68
N1004371: R23.2 U5.3
N1004534: R25.2 U5.4
N1014101: C41.1 U1.4 Y1.1
N1014113: C51.1 U1.5 Y1.2
N1017630: C30.1 R12.1 U4.8(VCC)
N1018954: C22.1 R5.2 Y2.1
N1031635: CR6.1 J6.M1 J6.M2 R32.2
N1105722: CR1.2 R15.1
N1105771: CR2.2 R14.1
N1105824: P6.1 R14.2
N1106228: P6.3 R15.2
N1176548: J2.15 R47.1
N1176568: J2.17 R48.1
N1177007: J2.19 R49.1
N1288065: R55.1 SW2.3
N1288098: R56.1 SW1.4
N1384129: R57.1 SW3.3
N1409884: R59.1 U4.3
N1409917: R60.1 U4.7
N1553941: R83.2 U15.5
N1579665: R84.2 U15.32
N1580179: C88.2 R87.2 U15.28 Y4.1
N1580186: C89.2 R87.1 U15.27(XO) Y4.3
N1644260: R90.2 U5.95
N1644363: R91.2 U5.96
N2070550: C53.1 U1.23
N2071733: C11.1 L11.1 L12.2 U1.1
N2072219: C21.1 L12.1 L32.1 U1.2
N2074535: C31.1 L32.2 U1.3
N2075216: C21.2 C33.1 L11.2 L33.1
N2075665: C34.1 L33.2 L34.1
N2076038: C35.1 C36.1 C37.1 L34.2
N2078765: C37.2 J7.1
N2082297: Z60.2 Z61.1 Z62.1 Z63.1
N2239551: R5.1 R7.2 U1.47
N2239563: R6.1 U1.46
N2245591: A1.1 Z63.2
N2266542: C36.2 Z60.1
N3002303: C115.1 C118.1 FL4.2 U34.6 U34.7 U34.8(VCC) Y6.4(VCC)
N3002611: R99.2 R107.1 U33.2
N3002631: U34.1 Y6.3
N3002671: U34.2 U34.3
N3002679: R94.2 U34.5
N3002683: R94.1 U35.24
N3002707: R107.2 R108.2 U33.7 U38.3 U45.1
N3002889: C129.1 R95.2 R101.1 R102.2
N3002897: R95.1 R103.1 R104.2
N3003137: C123.1 C130.1 R102.1 U37.4
N3003145: C123.2 R103.2 U37.1
N3003349: R97.1 U35.29
N3003461: C124.2 C132.1 R99.1 U36.3
N3003521: R98.2 U35.8
N3003585: R137.1 U36.8
N3003709: R101.2 U36.6